# Allegro board GPS_INTERFACE_BOARD_v24_test_SFP_.brd (continued)
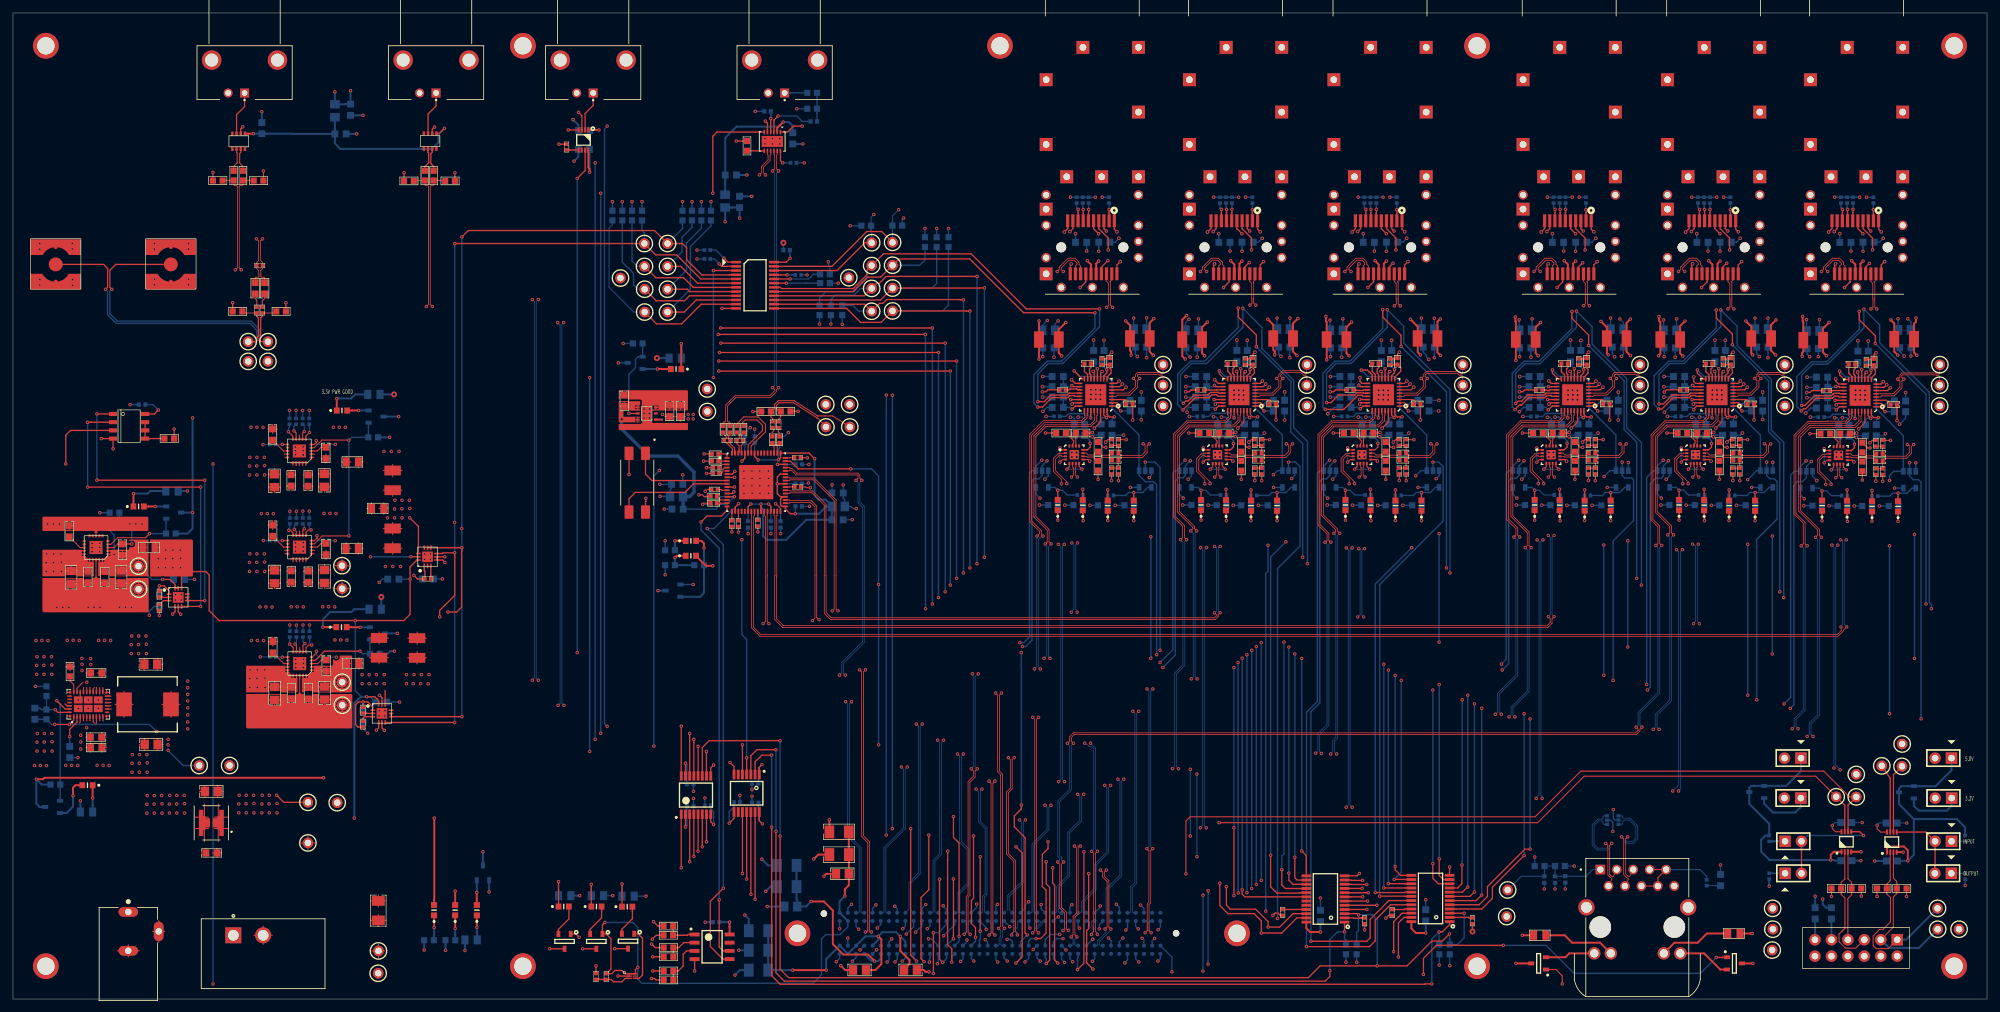
[diagram p0: board, top side]
## Copper pours and planes (outline as drawn; the poured copper is in the pictures) (continued)
GND_POWER on TOP: 43.21,85.72 45.24,85.72 45.24,83.69 44.42,83.69 44.42,80.09 44.5,80.01 52.22,80.01 52.35,79.88 52.35,72.49 52.27,72.42 44.55,72.42 44.48,72.34 44.48,71.35 44.42,71.3 44.07,71.3 44.02,71.35 44.02,72.34 43.94,72.42 36.04,72.42 35.97,72.49 35.97,72.52 35.94,72.54 35.94,79.96 35.99,80.01 43.89,80.01 43.97,80.09 43.97,83.69 43.21,83.69
GND_POWER on TOP: 43.23,70.87 45.26,70.87 45.26,68.83 44.45,68.83 44.45,65.23 44.53,65.15 52.25,65.15 52.37,65.02 52.37,59.97 52.25,59.84 36.12,59.84 35.97,59.99 35.97,65.1 36.02,65.15 43.92,65.15 43.99,65.23 43.99,68.83 43.23,68.83
GND_POWER on TOP: 53.19,57.51 65.3,57.51 65.53,57.28 65.53,54.53 65.41,54.41 44.58,54.41 44.5,54.33 44.5,53.34 44.45,53.29 44.09,53.29 44.04,53.34 44.04,54.33 43.97,54.41 36.07,54.41 35.99,54.48 35.99,56.52 36.09,56.62 52.3,56.62
GND_POWER on TOP: 43.99,87.2 43.99,86.21 44.04,86.16 44.4,86.16 44.45,86.21 44.45,87.2 44.53,87.27 52.25,87.27 52.3,87.33 52.3,89.43 52.25,89.48 36.04,89.48 35.94,89.38 35.94,87.35 36.02,87.27 43.92,87.27
GND_POWER on TOP: 19.56,33.15 30.48,33.15 30.48,27.41 19.15,27.41 19.15,32.74
GND_POWER on TOP: 56.57,70.74 60.73,70.74 60.93,70.54 60.93,65.53 60.71,65.3 56.64,65.3 56.39,65.56 56.39,70.56
GND_POWER on L2: 3.76,150.47 302.92,150.47 302.92,2 3.76,2
GND_POWER on L2: 7.21,150.47 302.92,150.47 302.92,2 7.21,2
GND_POWER on L2: 5.84,150.47 302.92,150.47 302.92,2 5.84,2
GND_POWER on L4: 302.92,1.98 1.98,1.98 1.98,150.47 302.92,150.47
GND_POWER on L7: 2,2 302.92,2 302.92,150.47 2,150.47 ; 1 cut-out
VCC2V5 on TOP: 52.78,54 65.35,54 65.53,53.82 65.53,47.52 65.38,47.37 52.6,47.37 52.45,47.52 52.45,53.67
VCC2V5 on L6: 156.01,142.19 292.89,142.19 293.67,141.4 293.67,119.23 293.45,119 155.78,119 155.5,118.72 155.5,98.83 155.91,98.42 293.67,98.42 293.67,48.49 293.24,48.06 267.03,48.06 266.75,47.78 266.75,29.97 267.16,29.57 293.55,29.57 293.67,29.44 293.67,18.14 293.45,17.91 267.11,17.91 266.85,17.65 266.85,2.03 266.6,1.78 1.85,1.78 1.22,2.41 1.22,59.26 1.52,59.56 31.57,59.56 31.88,59.87 31.88,128.8 32.26,129.18 155.17,129.18 155.65,129.67 155.65,141.83
VCC3V3 on TOP: 56.46,79.65 62.94,79.65 63.17,79.43 63.17,71.83 62.99,71.65 56.64,71.65 56.39,71.91 56.39,79.58
VCC3V3 on L3: 45.52,88.54 1.57,88.54 1.22,88.9 1.22,149.78 2.41,150.98 302.49,150.98 303.1,150.37 303.1,2.03 302.59,1.52 46.38,1.52 45.85,2.06 45.85,88.21
VCC5V on TOP (solid shape): 27.79,70.87 27.79,65.41 27.69,65.3 23.36,65.3 23.24,65.35 23.11,65.36 22.99,65.35 22.87,65.3 21.18,65.3 21.18,68.88 21.23,68.97 21.34,68.97 21.37,68.95 21.41,68.95 22.51,68.95 22.6,68.98 22.63,69.07 22.63,70.47 22.6,70.56 22.51,70.6 21.41,70.6 21.37,70.6 21.34,70.58 21.23,70.58 21.18,70.67 21.18,71.02 27.64,71.02
VCC5V on L6: 147.83,150.9 147.96,151.03 148.01,150.98 300.51,150.98 300.53,151 302.49,151 303.15,150.34 303.15,2.51 302.34,1.7 268.05,1.7 267.74,2.01 267.74,16.76 268.22,17.25 293.8,17.25 294.34,17.78 294.34,29.46 293.8,30 268.3,30 267.49,30.81 267.49,46.89 268.05,47.45 293.4,47.45 293.42,47.42 294.89,47.42 295.4,47.93 295.4,141.81 294.59,142.62 155.7,142.62 155.22,142.14 155.22,130.07 154.79,129.64 31.67,129.64 31.62,129.69 31.29,129.36 31.29,60.12 30.96,59.79 1.63,59.79 1.22,60.2 1.22,150.47 1.65,150.9
VCCR_SFP INTERFACE_SFP1 on L6: 275.11,118.75 284.45,118.75 284.66,118.54 284.66,98.83 284.48,98.65 275.11,98.65 274.9,98.86 274.9,118.54
VCCR_SFP INTERFACE_SFP2 on L6: 252.98,118.75 262.33,118.75 262.53,118.54 262.53,98.86 262.36,98.68 252.98,98.68 252.78,98.88 252.78,118.54
VCCR_SFP INTERFACE_SFP3 on L3: 166.45,72.09 168.78,72.09 168.96,71.91 168.96,61.01 168.94,60.99 168.94,59.16 168.73,58.95 162.59,58.95 162.31,59.23 162.31,64.34 162.92,64.95 165.91,64.95 166.22,65.25 166.22,71.86
VCCR_SFP INTERFACE_SFP3 on L6: 230.68,118.72 240.03,118.72 240.23,118.52 240.23,98.86 240.06,98.68 230.68,98.68 230.48,98.88 230.48,118.52
VCCR_SFP INTERFACE_SFP4 on L6: 201.5,118.72 210.85,118.72 211.05,118.52 211.05,98.88 210.87,98.7 201.5,98.7 201.29,98.91 201.29,118.52
VCCR_SFP INTERFACE_SFP5 on L6: 179.25,118.72 188.59,118.72 188.8,118.52 188.8,113.84 188.82,113.82 188.82,98.88 188.65,98.7 179.27,98.7 179.07,98.91 179.07,113.64 179.04,113.67 179.04,118.52
VCCR_SFP INTERFACE_SFP6 on L6: 157.05,118.72 166.4,118.72 166.6,118.52 166.6,98.86 166.42,98.68 157.05,98.68 156.84,98.88 156.84,118.52
VCCT_SFP INTERFACE_SFP1 on L6: 285.04,118.75 294.39,118.75 294.59,118.54 294.59,98.83 294.41,98.65 285.04,98.65 284.84,98.86 284.84,118.54
VCCT_SFP INTERFACE_SFP2 on L6: 262.99,118.75 272.34,118.75 272.54,118.54 272.54,98.86 272.36,98.68 262.99,98.68 262.79,98.88 262.79,118.54
VCCT_SFP INTERFACE_SFP3 on L3: 169.49,72.09 171.48,72.09 171.78,71.78 171.78,65.3 172.21,64.87 175.62,64.87 175.95,64.54 175.95,59.33 175.62,59 169.54,59 169.14,59.41 169.14,71.73
VCCT_SFP INTERFACE_SFP3 on L6: 240.69,118.69 250.04,118.69 250.24,118.49 250.24,98.86 250.06,98.68 240.69,98.68 240.49,98.88 240.49,118.49
VCCT_SFP INTERFACE_SFP4 on L6: 211.51,118.72 220.85,118.72 221.06,118.52 221.06,98.88 220.88,98.7 211.51,98.7 211.3,98.91 211.3,118.52
VCCT_SFP INTERFACE_SFP5 on L6: 189.26,118.72 198.6,118.72 198.81,118.52 198.81,98.88 198.63,98.7 189.26,98.7 189.05,98.91 189.05,118.52
VCCT_SFP INTERFACE_SFP6 on L6: 167.06,118.72 176.4,118.72 176.61,118.52 176.61,98.86 176.43,98.68 167.06,98.68 166.85,98.88 166.85,118.52
VDD_FILT on TOP: 99.77,90.86 105.41,90.86 105.49,90.78 105.49,89.26 105.36,89.13 98.91,89.13 98.86,89.18 98.86,89.81 98.91,89.87 99.72,89.87 99.72,90.81
VDD_FILT on L6: 97.21,94.39 109.09,94.39 109.42,94.06 109.42,85.78 109.8,85.39 119.63,85.39 119.84,85.19 119.84,74.45 119.61,74.22 97.33,74.22 96.93,74.63 96.93,94.11
VDDA_FILT on TOP (solid shape): 96.85,92.35 96.85,91.75 96.77,91.75 96.17,91.75 96.08,91.72 96.04,91.63 96.04,91.28 96.08,91.19 96.17,91.15 96.77,91.15 96.85,91.15 96.85,90.96 96.82,90.93 95.38,90.93 95.25,90.99 95.11,91.02 95.08,91.03 95.06,92.12 95.02,92.21 94.93,92.25 93.85,92.24 93.76,92.2 93.72,92.11 93.73,91.06 93.76,90.97 93.85,90.94 94.26,90.94 94.26,90.02 94.28,89.99 95,89.99 95.05,89.99 95.1,89.98 95.14,89.99 95.19,89.99 96.82,89.99 96.87,89.95 96.87,89.85 96.81,89.85 96.77,89.85 96.17,89.85 96.08,89.82 96.04,89.73 96.04,89.38 96.08,89.29 96.17,89.25 96.77,89.25 96.8,89.25 96.84,89.27 96.9,89.27 96.9,89.18 96.85,89.13 93.57,89.13 93.52,89.18 93.52,92.35 93.57,92.41 96.8,92.41
(no net) on TOP: 18.03,71.02 20.83,71.02 20.93,70.92 20.93,65.46 20.8,65.33 13.23,65.33 13.16,65.41 13.16,68.2 13.18,68.22 14.35,68.22 14.38,68.25 14.38,69.42 14.4,69.44 17.81,69.44 17.96,69.6 17.96,70.94
(no net) on TOP: 36.04,51.51 42.67,51.51 42.72,51.46 42.72,50.37 42.8,50.29 43.92,50.29 43.94,50.27 43.94,47.47 43.87,47.4 36.04,47.4 35.99,47.45 35.99,51.46
(no net) on TOP: 21.01,70.87 21.01,65.46 21.16,65.3 27.69,65.3 27.79,65.41 27.79,70.87 27.64,71.02 21.16,71.02
(no net) on TOP: 11.81,70.79 13.84,70.79 13.84,68.76 13.03,68.76 13.03,65.15 13.11,65.07 20.83,65.07 20.95,64.95 20.95,59.89 20.83,59.77 4.7,59.77 4.55,59.92 4.55,65.02 4.6,65.07 12.5,65.07 12.57,65.15 12.57,68.76 11.81,68.76
(no net) on TOP: 49.48,53.09 52.27,53.09 52.37,52.98 52.37,47.52 52.25,47.4 44.68,47.4 44.6,47.47 44.6,50.27 44.63,50.29 45.8,50.29 45.82,50.32 45.82,51.49 45.85,51.51 49.25,51.51 49.4,51.66 49.4,53.01
(no net) on TOP: 12.6,72.26 12.6,71.27 12.65,71.22 13,71.22 13.06,71.27 13.06,72.26 13.13,72.34 20.85,72.34 20.9,72.39 20.9,74.5 20.85,74.55 4.65,74.55 4.55,74.45 4.55,72.42 4.62,72.34 12.52,72.34
(no net) on TOP: 43.26,52.86 45.29,52.86 45.29,50.83 44.48,50.83 44.48,47.22 44.55,47.14 52.27,47.14 52.4,47.02 52.4,41.96 52.27,41.83 36.14,41.83 35.99,41.99 35.99,47.09 36.04,47.14 43.94,47.14 44.02,47.22 44.02,50.83 43.26,50.83
(no net) on TOP: 4.6,69.44 11.23,69.44 11.28,69.39 11.28,68.3 11.35,68.22 12.47,68.22 12.5,68.2 12.5,65.41 12.42,65.33 4.6,65.33 4.55,65.38 4.55,69.39
(no net) on TOP: 104.17,87.93 93.6,87.93 93.52,88.01 93.52,88.98 93.57,89.03 96.93,89.03 96.98,89.08 96.98,92.51 96.9,92.58 93.52,92.58 93.52,93.98 93.62,94.08 104.09,94.08 104.22,93.95 104.22,91.08 104.09,90.96 98.91,90.96 98.86,90.91 98.86,89.99 98.88,89.97 98.78,89.97 98.73,89.92 98.73,89.1 98.81,89.03 104.19,89.03 104.22,89 104.22,87.99
(no net) on TOP: 96.85,89.13 93.57,89.13 93.52,89.18 93.52,92.35 93.57,92.41 96.8,92.41 96.85,92.35 96.85,90.96 96.82,90.93 94.28,90.93 94.26,90.91 94.26,90.02 94.28,89.99 96.82,89.99 96.9,89.92 96.9,89.18
VP2V5 on TOP (solid shape): 52.37,52.98 52.37,47.52 52.25,47.4 46.36,47.4 46.34,47.4 46.31,47.41 46.29,47.42 46.27,47.45 46.26,47.47 46.26,47.5 46.26,47.53 46.28,47.56 46.29,47.59 46.29,47.61 46.29,48.66 46.29,48.68 46.28,48.71 46.26,48.74 46.24,48.76 46.21,48.78 46.18,48.79 46.16,48.79 45.08,48.79 45.06,48.79 45.03,48.78 45,48.76 44.98,48.74 44.96,48.71 44.95,48.68 44.95,48.66 44.95,47.61 44.95,47.59 44.96,47.56 44.97,47.53 44.98,47.5 44.98,47.47 44.97,47.45 44.95,47.42 44.92,47.41 44.89,47.4 44.88,47.4 44.68,47.4 44.6,47.47 44.6,48.94 47.26,48.94 47.26,47.64 47.26,47.63 47.26,47.6 47.28,47.57 47.31,47.54 47.33,47.53 47.37,47.52 47.38,47.52 48.88,47.52 48.9,47.52 48.93,47.53 48.96,47.54 48.98,47.57 49,47.6 49.01,47.63 49.01,47.64 49.01,48.94 49.01,48.97 49.87,48.97 49.88,48.88 49.89,48.8 49.91,48.71 49.93,48.63 49.97,48.55 50.01,48.48 50.06,48.4 50.11,48.34 50.17,48.27 50.24,48.22 50.31,48.17 50.39,48.13 50.47,48.09 50.55,48.06 50.63,48.04 50.72,48.02 50.8,48.02 50.89,48.02 50.98,48.03 51.06,48.05 51.14,48.07 51.22,48.11 51.3,48.15 51.37,48.19 51.44,48.25 51.51,48.31 51.56,48.37 51.62,48.44 51.66,48.51 51.7,48.59 51.73,48.67 51.75,48.76 51.77,48.84 51.78,48.93 51.78,49.01 51.77,49.1 51.75,49.19 51.73,49.27 51.7,49.35 51.66,49.43 51.62,49.5 51.56,49.57 51.51,49.64 51.44,49.7 51.37,49.75 51.3,49.8 51.22,49.84 51.14,49.87 51.06,49.89 50.98,49.91 50.89,49.92 50.8,49.92 50.72,49.92 50.63,49.9 50.55,49.88 50.47,49.85 50.39,49.82 50.31,49.77 50.24,49.72 50.17,49.67 50.11,49.61 50.06,49.54 50.01,49.47 49.97,49.39 49.93,49.31 49.91,49.23 49.89,49.14 49.88,49.06 49.87,48.97 49.01,48.97 49,48.99 48.98,49.02 48.96,49.05 48.93,49.06 48.9,49.07 48.88,49.07 47.38,49.07 47.37,49.07 47.33,49.06 47.31,49.05 47.28,49.02 47.26,48.99 47.26,48.96 47.26,48.94 44.6,48.94 44.6,49.57 44.62,49.57 44.62,49.64 45.55,49.64 45.56,50.23 45.57,50.25 45.59,50.27 45.61,50.28 45.8,50.29 45.82,50.32 45.83,50.5 45.84,50.52 45.86,50.54 45.89,50.56 46.47,50.56 46.47,51.2 47.69,51.2 47.69,50.15 47.69,50.13 47.7,50.1 47.72,50.07 47.74,50.04 47.77,50.03 47.8,50.02 47.82,50.02 48.9,50.02 48.92,50.02 48.95,50.03 48.98,50.05 49,50.07 49.02,50.1 49.03,50.13 49.03,50.15 49.03,51.2 49.03,51.21 49.02,51.25 49,51.27 48.98,51.3 48.95,51.31 48.92,51.32 48.9,51.32 47.82,51.32 47.8,51.32 47.77,51.31 47.74,51.3 47.72,51.27 47.7,51.25 47.69,51.21 47.69,51.2 46.47,51.2 46.47,51.49 46.55,51.49 46.55,51.51 49.25,51.51 49.4,51.66 49.4,52.39 49.4,52.4 49.41,52.43 49.43,52.46 49.45,52.48 49.48,52.49 49.51,52.49 49.54,52.49 49.56,52.47 49.6,52.44 49.65,52.4 49.71,52.37 49.77,52.34 49.84,52.32 49.9,52.32 49.97,52.32 50.03,52.32 50.09,52.34 50.15,52.36 50.2,52.39 50.26,52.42 50.3,52.47 50.34,52.51 50.38,52.57 50.82,52.57 50.82,51.17 50.82,51.15 50.83,51.12 50.85,51.09 50.87,51.07 50.9,51.05 50.93,51.04 50.95,51.04 52.05,51.04 52.07,51.04 52.1,51.05 52.13,51.07 52.15,51.09 52.17,51.12 52.18,51.15 52.18,51.17 52.18,52.57 52.18,52.58 52.17,52.62 52.15,52.64 52.13,52.67 52.1,52.69 52.07,52.69 52.05,52.69 50.95,52.69 50.93,52.69 50.9,52.69 50.87,52.67 50.85,52.64 50.83,52.62 50.82,52.58 50.82,52.57 50.38,52.57 50.41,52.62 50.43,52.68 50.45,52.74 50.45,52.8 50.45,52.86 50.45,52.93 50.43,52.97 50.44,53.01 50.45,53.03 50.47,53.06 50.49,53.08 50.52,53.09 50.54,53.09 52.27,53.09
VP3V3 on TOP: 52.83,85.95 55.88,85.95 56.08,85.75 56.08,65.63 55.85,65.41 52.81,65.41 52.6,65.61 52.6,70.89 52.58,70.92 52.58,80.57 52.6,80.59 52.6,85.72
VP5V on TOP (solid shape): 20.93,70.92 20.93,65.46 20.8,65.33 14.91,65.33 14.9,65.33 14.87,65.34 14.84,65.36 14.83,65.38 14.81,65.41 14.81,65.44 14.82,65.47 14.83,65.49 14.84,65.53 14.84,65.54 14.84,66.59 14.84,66.61 14.83,66.64 14.81,66.67 14.79,66.69 14.76,66.71 14.73,66.72 14.71,66.72 13.63,66.72 13.62,66.72 13.58,66.71 13.56,66.69 13.53,66.67 13.51,66.64 13.51,66.61 13.51,66.59 13.51,65.54 13.51,65.53 13.51,65.49 13.53,65.47 13.54,65.44 13.53,65.41 13.52,65.38 13.5,65.36 13.48,65.34 13.45,65.33 13.43,65.33 13.23,65.33 13.16,65.41 13.16,66.88 15.81,66.88 15.81,65.58 15.81,65.56 15.82,65.53 15.84,65.5 15.86,65.48 15.89,65.46 15.92,65.45 15.94,65.45 17.44,65.45 17.45,65.45 17.49,65.46 17.52,65.48 17.54,65.5 17.56,65.53 17.56,65.56 17.57,65.58 17.57,66.88 17.56,66.9 18.43,66.9 18.43,66.82 18.44,66.73 18.46,66.65 18.49,66.56 18.52,66.48 18.57,66.41 18.61,66.34 18.67,66.27 18.73,66.21 18.8,66.15 18.87,66.1 18.94,66.06 19.02,66.02 19.1,65.99 19.19,65.97 19.27,65.96 19.36,65.95 19.45,65.95 19.53,65.96 19.62,65.98 19.7,66.01 19.78,66.04 19.86,66.08 19.93,66.13 20,66.18 20.06,66.24 20.12,66.3 20.17,66.37 20.22,66.45 20.25,66.52 20.29,66.6 20.31,66.69 20.32,66.77 20.33,66.86 20.33,66.95 20.32,67.03 20.31,67.12 20.29,67.2 20.25,67.28 20.22,67.36 20.17,67.44 20.12,67.51 20.06,67.57 20,67.63 19.93,67.68 19.86,67.73 19.78,67.77 19.7,67.8 19.62,67.83 19.53,67.84 19.45,67.85 19.36,67.86 19.27,67.85 19.19,67.84 19.1,67.82 19.02,67.79 18.94,67.75 18.87,67.71 18.8,67.66 18.73,67.6 18.67,67.54 18.61,67.47 18.57,67.4 18.52,67.32 18.49,67.24 18.46,67.16 18.44,67.08 18.43,66.99 18.43,66.9 17.56,66.9 17.56,66.93 17.54,66.96 17.52,66.98 17.49,67 17.45,67 17.44,67 15.94,67 15.92,67 15.89,67 15.86,66.98 15.84,66.96 15.82,66.93 15.81,66.89 15.81,66.88 13.16,66.88 13.16,67.5 13.18,67.5 13.18,67.57 14.11,67.57 14.11,68.16 14.13,68.18 14.14,68.2 14.17,68.22 14.35,68.22 14.38,68.25 14.38,68.43 14.4,68.46 14.42,68.48 14.44,68.49 15.03,68.49 15.03,69.13 16.25,69.13 16.25,68.08 16.25,68.06 16.26,68.03 16.27,68 16.3,67.98 16.33,67.96 16.36,67.95 16.38,67.95 17.46,67.95 17.47,67.95 17.51,67.96 17.53,67.98 17.56,68 17.57,68.03 17.58,68.06 17.58,68.08 17.58,69.13 17.58,69.15 17.57,69.18 17.56,69.21 17.53,69.23 17.51,69.25 17.47,69.26 17.46,69.26 16.38,69.26 16.36,69.26 16.33,69.25 16.3,69.23 16.27,69.21 16.26,69.18 16.25,69.15 16.25,69.13 15.03,69.13 15.03,69.42 15.1,69.42 15.1,69.44 17.81,69.44 17.96,69.6 17.96,69.8 17.97,69.83 17.98,69.85 18.01,69.87 18.03,69.88 18.06,69.89 18.09,69.88 18.13,69.86 18.19,69.84 18.25,69.82 18.31,69.82 18.37,69.82 18.44,69.83 18.5,69.84 18.56,69.87 18.62,69.9 18.67,69.94 18.72,69.98 18.76,70.03 18.79,70.08 18.82,70.14 18.84,70.21 18.85,70.27 18.86,70.33 18.85,70.4 18.84,70.47 19.38,70.47 19.38,69.07 19.38,69.06 19.39,69.02 19.4,69 19.43,68.97 19.46,68.96 19.49,68.95 19.51,68.95 20.61,68.95 20.62,68.95 20.65,68.96 20.68,68.97 20.71,69 20.72,69.02 20.73,69.06 20.73,69.07 20.73,70.47 20.73,70.49 20.72,70.52 20.71,70.55 20.68,70.58 20.65,70.59 20.62,70.6 20.61,70.6 19.51,70.6 19.49,70.6 19.46,70.59 19.43,70.58 19.4,70.55 19.39,70.52 19.38,70.49 19.38,70.47 18.84,70.47 18.82,70.52 18.79,70.58 18.76,70.64 18.72,70.69 18.67,70.73 18.62,70.77 18.56,70.8 18.5,70.83 18.44,70.84 18.37,70.85 18.31,70.85 18.25,70.84 18.19,70.83 18.13,70.81 18.09,70.79 18.06,70.78 18.03,70.79 18.01,70.8 17.98,70.82 17.97,70.84 17.96,70.87 17.96,70.94 18.03,71.01 20.37,71.01 20.4,71 20.45,71 20.5,71 20.55,71.01 20.59,71.02 20.83,71.02
VP5V5 on TOP (solid shape): 10.55,69.42 10.62,69.42 10.62,68.49 11.21,68.49 11.24,68.48 11.26,68.46 11.27,68.43 11.28,68.3 11.35,68.22 11.49,68.22 11.51,68.2 11.53,68.18 11.54,68.16 11.55,67.57 12.47,67.57 12.47,67.5 12.5,67.5 12.5,65.41 12.42,65.33 9.92,65.33 9.91,65.33 9.88,65.34 9.86,65.35 9.84,65.38 9.83,65.4 9.82,65.43 9.83,65.46 9.84,65.53 9.84,66.62 10.89,66.62 10.89,65.57 10.89,65.55 10.9,65.52 10.92,65.49 10.94,65.47 10.97,65.45 11,65.44 11.02,65.44 12.1,65.44 12.11,65.44 12.15,65.45 12.17,65.47 12.2,65.49 12.22,65.52 12.22,65.55 12.22,65.57 12.22,66.62 12.22,66.63 12.22,66.67 12.2,66.7 12.18,66.72 12.15,66.74 12.11,66.74 12.1,66.74 11.02,66.74 11,66.74 10.97,66.74 10.94,66.72 10.92,66.7 10.9,66.67 10.89,66.63 10.89,66.62 9.84,66.62 9.84,66.83 9.84,66.84 9.83,66.88 9.82,66.9 9.79,66.93 9.77,66.94 9.73,66.95 9.72,66.95 8.22,66.95 8.2,66.95 8.17,66.94 8.14,66.93 8.11,66.9 8.1,66.88 8.09,66.84 8.09,66.83 8.09,65.53 8.11,65.46 8.11,65.43 8.11,65.4 8.09,65.38 8.08,65.35 8.05,65.34 8.02,65.33 8.01,65.33 4.6,65.33 4.55,65.38 4.55,69.39 4.6,69.44 10.55,69.44
VP5V5 on TOP (solid shape): 42,51.49 42.07,51.49 42.07,50.56 42.66,50.56 42.68,50.54 42.7,50.52 42.72,50.5 42.72,50.37 42.8,50.29 42.93,50.28 42.95,50.27 42.97,50.25 42.99,50.23 42.99,49.64 43.92,49.64 43.92,49.57 43.94,49.57 43.94,47.47 43.87,47.4 41.37,47.4 41.35,47.4 41.33,47.41 41.3,47.42 41.28,47.44 41.27,47.47 41.27,47.5 41.27,47.53 41.29,47.59 41.29,48.68 42.33,48.68 42.33,47.63 42.34,47.62 42.34,47.59 42.36,47.56 42.38,47.53 42.41,47.52 42.45,47.51 42.46,47.51 43.54,47.51 43.56,47.51 43.59,47.52 43.62,47.53 43.64,47.56 43.66,47.59 43.67,47.62 43.67,47.63 43.67,48.68 43.67,48.7 43.66,48.73 43.64,48.76 43.62,48.79 43.59,48.8 43.56,48.81 43.54,48.81 42.46,48.81 42.45,48.81 42.41,48.8 42.38,48.79 42.36,48.76 42.34,48.73 42.34,48.7 42.33,48.68 41.29,48.68 41.29,48.89 41.29,48.91 41.28,48.94 41.26,48.97 41.24,49 41.21,49.01 41.18,49.02 41.16,49.02 39.66,49.02 39.64,49.02 39.61,49.01 39.58,49 39.56,48.97 39.54,48.94 39.53,48.91 39.53,48.89 39.53,47.59 39.55,47.53 39.56,47.5 39.55,47.47 39.54,47.44 39.52,47.42 39.5,47.41 39.47,47.4 39.45,47.4 36.04,47.4 35.99,47.45 35.99,51.46 36.04,51.51 42,51.51
VP5V5 on TOP: 36.02,69.52 42.65,69.52 42.7,69.47 42.7,68.38 42.77,68.3 43.89,68.3 43.92,68.28 43.92,65.48 43.84,65.41 36.02,65.41 35.97,65.46 35.97,69.47
VP5V5 on TOP: 21.44,37.9 21.44,53.59 21.64,53.8 27.69,53.8 27.91,53.57 27.91,37.87 27.71,37.67 21.67,37.67
VP5V5 on TOP: 35.99,84.38 42.62,84.38 42.67,84.33 42.67,83.24 42.75,83.16 43.87,83.16 43.89,83.13 43.89,80.34 43.81,80.26 35.99,80.26 35.94,80.31 35.94,84.33
VP5V5 on L3: 1.68,88.32 44.04,88.32 44.55,87.81 44.55,37.59 43.95,36.99 23.49,36.99 22.49,37.99 22.49,53.45 22.48,53.47 22.48,54.81 21.79,55.5 1.37,55.5 1.22,55.65 1.22,87.86
VP12V on TOP: 30.73,33.15 41.43,33.15 42.06,32.51 42.06,27.41 30.73,27.41
VP12V on TOP: 12.09,49.05 12.09,47.09 12.04,47.04 10.72,47.04 10.67,47.09 10.67,49.1 10.03,49.73 10.03,52.93 10.26,53.16 12.47,53.16 12.7,52.93 12.7,49.66
VP12V on TOP: 10.67,42.09 10.67,44.04 10.72,44.09 12.04,44.09 12.09,44.04 12.09,42.04 12.73,41.4 12.73,38.2 12.5,37.97 10.29,37.97 10.06,38.2 10.06,41.48
VP12V on L3: 3.5,53.99 19.99,53.99 21.49,52.49 21.49,37.99 22.99,36.49 43.98,36.49 44.53,35.94 44.53,25.48 44.04,24.99 3,24.99 2,25.99 2,52.49
N140138 on TOP: 14.1,44.68 14.1,46.96 14.17,47.04 15.24,47.04 15.47,47.27 15.47,47.96 15.57,48.06 18.57,48.06 18.75,47.88 18.75,43.13 18.62,43 15.6,43 15.49,43.1 15.49,44.32 15.21,44.6 14.17,44.6
N146225 on TOP: 49.45,71.09 52.25,71.09 52.35,70.99 52.35,65.53 52.22,65.41 44.65,65.41 44.58,65.48 44.58,68.28 44.6,68.3 45.77,68.3 45.8,68.33 45.8,69.49 45.82,69.52 49.23,69.52 49.38,69.67 49.38,71.02
N185241 on TOP: 52.2,84.38 45.8,84.38 45.77,84.35 45.77,83.19 45.75,83.16 44.58,83.16 44.55,83.13 44.55,80.34 44.63,80.26 52.2,80.26 52.32,80.39 52.32,84.25

## Text on the board
Ref Des/Silkscreen Top: 3.3V PWR GOOD | INPUT | OUTPUT | 5.0V | 3.3V
